# Altium PCB PCB_MPPT_rev1.PcbDoc (part 3 of 3)
Units mm, origin at the board's own origin, x right, y up, seen from the top; angles counter-clockwise.
Board outline 100 x 200 mm, 4 copper layers (Top Layer, INT1, INT2, Bottom Layer), stack 1.49 mm thick; 287 components, 160 nets, 844 pads, 592 vias.
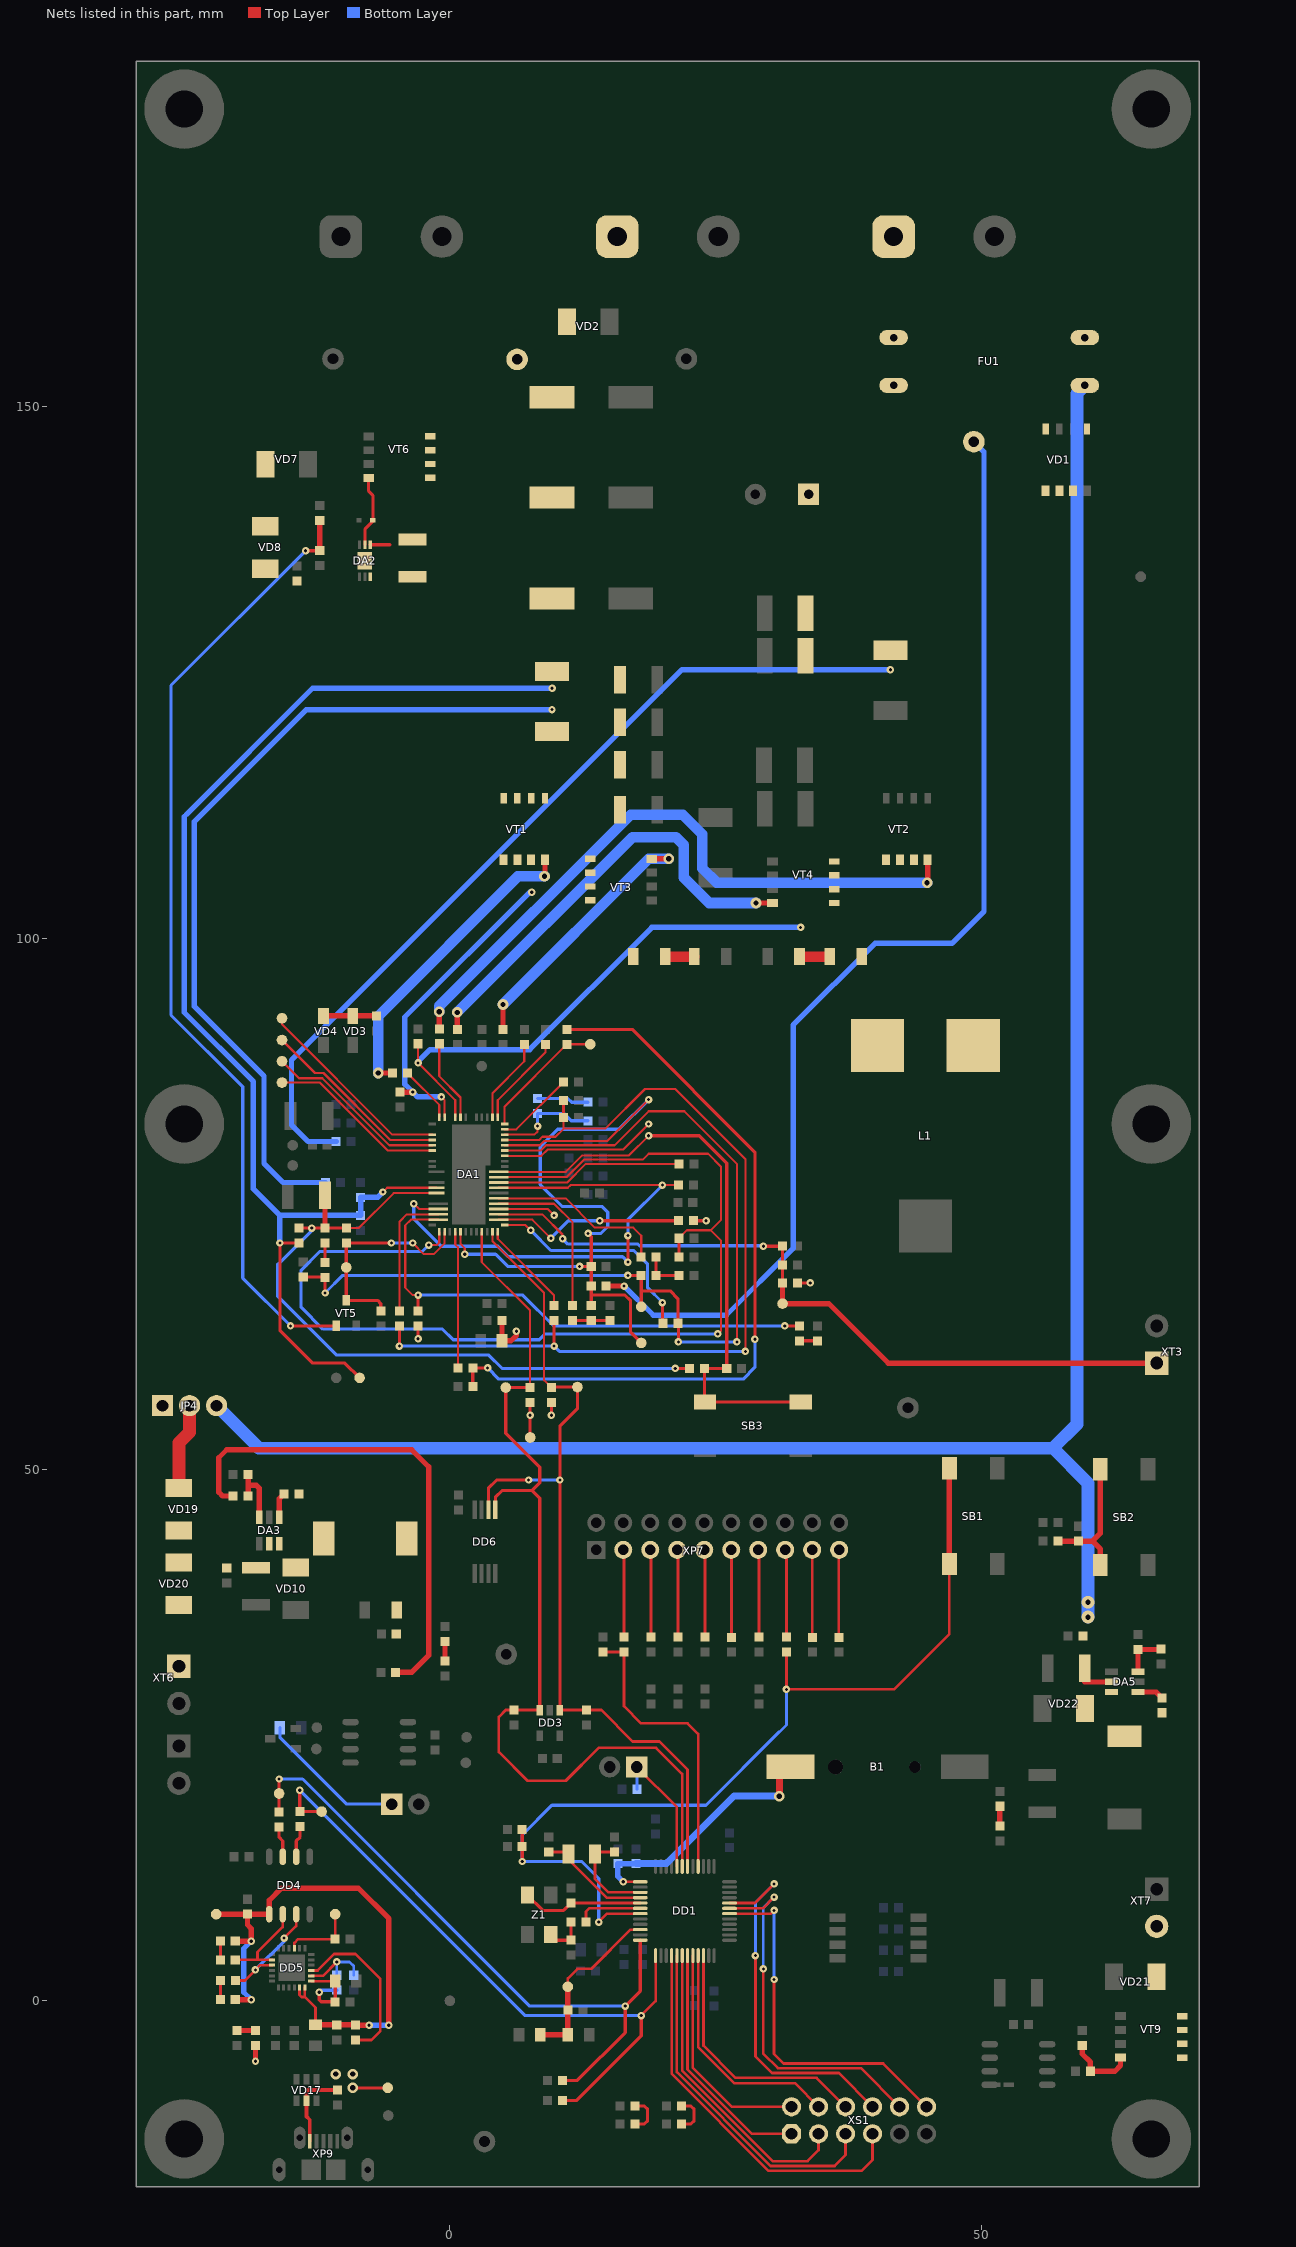
[diagram p5: the nets of this part, all layers, seen from the top]

## Via types
v1: diameter 0.7, hole 0.3, Top Layer to Bottom Layer, 562 vias
v2: diameter 1, hole 0.5, Top Layer to Bottom Layer, 28 vias
v3: diameter 1.2, hole 0.5, Top Layer to Bottom Layer, 2 vias

## Nets (pads, with @x,y where several pads share a name; then routed paths per layer and width w, separated by ;. In a path a pad name is that pad's centre, name@x,y a point inside that pad or via, vN(x,y) a via of type N, cw(c..) or ccw(c..) an arc to the next point about the centre after c; other vN are vias at no path point) (continued)
Net5_1: 5.1 DA1.16 DA1.57 R18.1 R23.1 R27.2 | length 71.7
  Top Layer w0.2: DA1.57@1,72.35 1,71.216 1.15,71.066 1.15,71.05 1.4,70.8 v1(1.4,70.25) ; DA1.16@5.15,80.5 8.469,80.5 8.869,80.9 14.8,80.9 v1(18.7,84.8)
  Top Layer w0.3: v1(12.2,69.1) R27.2@13.3,69.1 ; v1(13,72.2) 13.3,71.9 R27.2@13.3,69.1 ; R23.1@13.3,65.4 13.3,66.4 ; 5.1@18,61.9 17,62.9 17,65.875 16.475,66.4 13.3,66.4 ; 13.3,66.4 R27.2@13.3,69.1
  Bottom Layer w0.3: v1(1.4,70.25) 4.3,70.25 5.45,69.1 v1(12.2,69.1) ; v1(13,72.2) 14.2,72.2 14.859,72.859 14.859,74.191 14.3,74.75 10.55,74.75 8.5,76.8 8.5,80.35 10.15,82 15.9,82 v1(18.7,84.8)
Net7_1: 7.1 DA1.15 R20.2 R21.1 R24.1 R29.1 | length 92.3
  Top Layer w0.2: DA1.15@5.15,80 8.534,80 9.034,80.5 15.5,80.5 18.7,83.7 22.05,83.7 27,78.75 v1(27,62)
  Top Layer w0.3: R29.1@-13.8,68.1 R20.2@-11.8,68.1 ; v1(-11.75,66.6) R20.2@-11.75,68.05 ; v1(16.75,68.25) R24.1@18,68.25 18,66.8 ; 7.1@18,65.3 18,66.8 ; R21.1@21.45,63.75 21.45,66.075 20.725,66.8 18,66.8 ; v1(21.5,62) R21.1@21.5,63.7
  Bottom Layer w0.3: v1(-11.75,66.6) -10.1,68.25 v1(16.75,68.25) ; v1(21.5,62) v1(27,62)
Net9_1: 9.1 DA1.35 | length 19
  Top Layer w0.2: 9.1@-15.8,92.45 -15.8,91.881 -5.419,81.5 DA1.35@-1.65,81.5
Net10_1: 10.1 DA1.36 | length 18
  Top Layer w0.2: 10.1@-15.8,90.4 -12.7,87.3 -11.9,87.3 -5.6,81 DA1.36@-1.65,81
Net12_1: 12.1 DA1.37 | length 17.4
  Top Layer w0.2: 12.1@-15.8,88.4 -14.2,86.8 -12,86.8 -5.7,80.5 DA1.37@-1.65,80.5
Net13_1: 13.1 DA1.38 | length 16.8
  Top Layer w0.2: 13.1@-15.8,86.4 -12.25,86.4 -5.85,80 DA1.38@-1.65,80
Net15_1: 15.1 DA1.20 R42.2 | length 12.1
  Top Layer w0.2: DA1.20@5.15,82.5 5.15,84.15 R42.2@11,90 15.1@13.2,90
Net17_1: 17.1 C38.2 DA1.3 R46.1 R49.2 XT3.1 | length 71.1
  Top Layer w0.2: DA1.3@4.6,74 8.7,74 10.6,72.1 v1(10.6,71.7)
  Top Layer w0.3: v1(29.5,71) C38.2@31.3,71 R49.2@31.3,69.25 R46.1@31.3,67.55
  Top Layer w0.5: R46.1@31.3,67.55 17.1@31.3,65.6 35.65,65.6 41.25,60 XT3.1@66.5,60
  Bottom Layer w0.3: v1(10.6,71.7) 11.1,71.2 17.7,71.2 17.85,71.05 29.45,71.05 v1(29.5,71)
Net49_1: 49.1 DD5.15 R109.2 | length 6.8
  Top Layer w0.25: DD5.15@-14.647,4.95 -14.647,5.453 -14.3,5.8 R109.2@-10.8,5.8 49.1@-10.8,8.15
NetB1_+: B1.+ C53.2 DD1.1 R112.2 | length 24.5
  Top Layer w0.25: v1@16.3,11.2 v1(16.305,11.195) DD1.1@17.909,11.195
  Top Layer w0.65: v2(31,19.25) 31,20.95 B1.+@32.05,22
  Bottom Layer w0.5: v1(16.305,11.195) 15.8,11.7 C53.2@15.8,12.9 R112.2@17.5,12.9
  Bottom Layer w0.65: R112.2@17.5,12.9 20.4,12.9 26.75,19.25 v2(31,19.25)
NetC6_2: C6.2 C7.2 R1.1 R5.1 VT1.5 VT1.6 VT1.7 VT1.8 | length 79.4
  Bottom Layer w0.5: R5.1@-11.7,77 -15.7,77 -17.5,78.8 -17.5,87 -24.05,93.55 -24.05,110.95 -13.507,121.493 v1(9.607,121.493)
NetC11_2: C11.2 C12.2 C13.1 R2.1 R4.1 VD1.1 VD1.2 VD1.3 | length 82.5
  Bottom Layer w0.5: R4.1@-10.7,80.85 -13.35,80.85 -14.9,82.4 -14.9,88.514 21.836,125.25 v1(41.45,125.25)
NetC18_2: C18.2 R6.1 | length 2.7
  Top Layer w1: R6.1@20.25,98.25 C18.2@23,98.25
NetC19_2: C19.2 R7.1 | length 2.9
  Top Layer w1: C19.2@32.898,98.25 R7.1@35.748,98.25
NetC26_2: C26.2 R22.1 R23.2 | length 3.5
  Top Layer w0.3: R22.1@11.55,64 R23.2@13.3,64 C26.2@15.05,64
NetC27_2: C27.2 R24.2 R25.1 | length 3.9
  Top Layer w0.3: R25.1@19.4,70 R24.2@19.4,68.25 C27.2@21.55,68.25
NetC33_2: C33.2 DA1.10 DA1.53 R34.2 | length 103.3
  Top Layer w0.2: v1(-2,71.1) -1.25,71.1 -1,71.35 DA1.53@-1,72.35 ; DA1.10@4.6,77.5 10.969,77.5 12.619,79.15 18.15,79.15 18.7,79.7 24.3,79.7 25.5,78.5 25.5,73.45 24.55,72.5 ; R34.2@21.55,71.75 22.3,72.5 24.55,72.5 ; v1(25.2,62.75) 25.5,63.05 25.5,71.55 24.55,72.5
  Top Layer w0.3: C33.2@21.55,70 R34.2@21.55,71.75
  Bottom Layer w0.3: v1(-2,71.1) -2.6,70.5 -12.25,70.5 -14,68.75 -14,65.25 -11.95,63.2 -0.7,63.2 0.3,62.2 8.4,62.2 8.95,62.75 v1(25.2,62.75)
NetC34_2: C34.2 DA1.19 | length 7.4
  Top Layer w0.2: DA1.19@5.15,82 6.25,82 C34.2@10.7,86.45
NetC35_2: C35.2 DA1.17 R36.1 R37.2 R44.2 | length 85.2
  Top Layer w0.2: DA1.17@5.15,81 8.403,81 8.703,81.3 9.937,81.3 10.7,82.063 ; R44.2@10.7,83.1 10.7,82.063 ; v1(27.8,61.1) 27.8,79.2 21.2,85.8 18.359,85.8 14.621,82.063 10.7,82.063
  Top Layer w0.3: v1(-4.75,61.6) R37.2@-4.75,63.5 ; v1(9.8,61.6) R36.1@9.8,64 ; R44.2@10.7,83.1 C35.2@10.7,84.7
  Bottom Layer w0.3: v1(-4.75,61.6) v1(9.8,61.6) 10.3,61.1 v1(27.8,61.1)
NetC36_2: C36.2 R42.1 R43.1 | length 71.9
  Top Layer w0.3: C36.2@2.15,57.8 R43.1@2.15,59.55 v1(3.55,59.55) ; R42.1@11,91.4 17.159,91.4 28.7,79.859 v1(28.7,62.25)
  Bottom Layer w0.3: v1(3.55,59.55) 4.6,58.5 27.6,58.5 28.7,59.6 v1(28.7,62.25)
NetC37_2: C37.2 DA1.18 R47.2 | length 10
  Top Layer w0.2: DA1.18@5.15,81.5 7.95,81.5 8.25,81.8 v1(8.25,82.3)
  Bottom Layer w0.3: v1(8.25,82.3) R47.2@8.25,83.5 10.7,83.5 11.4,82.8 C37.2@13,82.8
NetC39_2: C39.2 R47.1 | length 4.9
  Bottom Layer w0.3: R47.1@8.25,84.9 11.1,84.9 11.45,84.55 C39.2@13,84.55
NetC40_1: C40.1 DA2.6 DA2.7 R53.1 VD8.2
NetC41_1: C41.1 DA3.6 L2.2 VD10.2
NetC41_2: C41.2 DA3.1 | length 2.4
  Top Layer w0.5: DA3.1@-16.05,45.5 -16.05,47.25 C41.2@-15.6,47.7
NetC42_2: C42.2 C43.2 DA3.5 VD19.2 VD20.2
NetC44_2: C44.2 C45.2 L2.1 R54.2 R56.2 | length 47
  Top Layer w0.5: R56.2@-20.4,47.5 -21.397,47.5 -21.75,47.853 -21.75,51.097 -20.997,51.85 -3.6,51.85 -2,50.25 -2,32.5 -3.6,30.9 R54.2@-5.1,30.9
NetC61_2: C61.2 DD1.5 Z1.1 | length 11.5
  Top Layer w0.25: C61.2@11.4,9.2 11.405,9.195 DD1.5@17.909,9.195
  Top Layer w0.3: Z1.1@7.3,9.95 8.75,8.5 10.7,8.5 C61.2@11.4,9.2
NetC62_2: C62.2 R89.2 Z1.3 | length 3.8
  Top Layer w0.3: Z1.3@9.5,6.25 10.05,5.7 C62.2@11.4,5.7 R89.2@11.4,7.4
NetC74_1: C74.1 DD1.3 Z2.2 | length 8.8
  Top Layer w0.25: Z2.2@13.65,13.8 13.65,11.45 14.905,10.195 DD1.3@17.909,10.195
  Top Layer w0.3: Z2.2@13.85,14 C74.1@15.5,14
NetC75_1: C75.1 DD1.4 Z2.1 | length 10.7
  Top Layer w0.25: Z2.1@11.4,13.8 Z2.1@11.15,13.8 11.15,13.3 14.755,9.695 DD1.4@17.909,9.695
  Top Layer w0.3: C75.1@9.3,14 Z2.1@10.95,14
NetC80_1: C80.1 DA5.6 L4.2 VD22.2
NetC80_2: C80.2 DA5.1 | length 2.5
  Top Layer w0.5: DA5.1@64.75,29.05 66.45,29.05 C80.2@67,28.5
NetDA1_1: DA1.1 R21.2 | length 21.1
  Top Layer w0.2: DA1.1@5.15,73 7.1,73 v1(7.6,72.5)
  Top Layer w0.3: v1(20,65.7) 20,63.8 R21.2@20.05,63.75
  Bottom Layer w0.3: v1(7.6,72.5) 9.5,70.6 17.3,70.6 18.6,69.3 18.6,67.1 v1(20,65.7)
NetDA1_2: DA1.2 R30.1 | length 18.3
  Top Layer w0.2: DA1.2@4.6,73.5 7.75,73.5 v1(9.5,71.75)
  Top Layer w0.3: v1(14.1,73.4) R30.1@21.5,73.4
  Bottom Layer w0.3: v1(9.5,71.75) 11.15,73.4 v1(14.1,73.4)
NetDA1_5: DA1.5 R22.2 | length 15.5
  Top Layer w0.2: DA1.5@4.6,75 9.8,75 11.55,73.25 R22.2@11.55,65.4
NetDA1_6: DA1.6 R25.2 | length 16.8
  Top Layer w0.2: DA1.6@4.6,75.5 10.893,75.5 13.643,72.75 17.25,72.75 18,72 R25.2@18,70
NetDA1_8: DA1.8 DA1.49 R26.1 | length 51.4
  Top Layer w0.2: v1(-3.4,75) -2.9,74.5 DA1.49@-1.1,74.5 ; DA1.8@4.6,76.5 11.1,76.5 11.35,76.75 v1(20,76.75) R26.1@21.5,76.75
  Top Layer w0.3: v1(16.75,69.5) v1(16.75,72)
  Bottom Layer w0.3: v1(-3.4,75) -3.4,73.6 -0.8,71 4.5,71 5.5,70 16.25,70 v1(16.75,69.5) ; v1(16.75,72) 16.75,73.5 v1(20,76.75)
NetDA1_9: DA1.9 R40.2 | length 17.7
  Top Layer w0.2: DA1.9@4.6,77 11.034,77 12.784,78.75 R40.2@21.559,78.75
NetDA1_11: DA1.11 R48.1 R51.2 SB3.2 | length 57.4
  Top Layer w0.2: DA1.11@4.6,78 10.903,78 12.453,79.55 16.85,79.55 v1(18.7,81.4)
  Top Layer w0.3: v1(18.7,81.4) 23.461,81.4 26.05,78.811 R51.2@26.05,59.5 R48.1@23.95,59.5 SB3.2@23.95,56.4 ; SB3.2@24,56.35 SB3.2@33,56.35
NetDA1_21: DA1.21 R39.2 | length 8.7
  Top Layer w0.2: DA1.21@4.5,83.15 4.5,84.75 9,89.25 R39.2@9,90
NetDA1_22: DA1.22 R41.2 | length 8.1
  Top Layer w0.2: DA1.22@4,83.15 4,85.4 7,88.4 R41.2@7,90
NetDA1_50: DA1.50 R37.1 | length 12.3
  Top Layer w0.2: R37.1@-4.75,64.9 -4.75,73.313 -4.063,74 DA1.50@-1.1,74
NetDA1_51: DA1.51 R31.1 VD5.1 | length 49.2
  Top Layer w0.2: v1(-3,66.4) -3.5,66.4 -4.2,67.1 -4.2,72.963 -3.663,73.5 DA1.51@-1.1,73.5
  Top Layer w0.3: R31.1@-3,64.9 v1(-3,66.4) ; v1(31.5,63.5) VD5.1@32.85,63.5
  Bottom Layer w0.3: v1(-3,66.4) 6.85,66.4 9.75,63.5 v1(31.5,63.5)
NetDA1_56: DA1.56 R43.2 | length 12.9
  Top Layer w0.2: DA1.56@0.5,72.35 0.5,71.15 0.75,70.9 R43.2@0.75,59.55
NetDA1_64: DA1.64 R36.2 | length 9.1
  Top Layer w0.2: DA1.64@4.5,72.35 4.5,71.7 9.8,66.4 R36.2@9.8,65.4
NetDA2_2: DA2.2 VD6.2 VT6.4 | length 6.8
  Top Layer w0.3: DA2.2@-8,136.995 -8,138.45 -7.2,139.25 VD6.2@-7.2,139.3 ; VT6.4@-7.65,143.3 -7.65,142.05 -7.25,141.65 VD6.2@-7.25,139.3
NetDA3_3: DA3.3 R56.1 R59.2 | length 5.7
  Top Layer w0.5: R56.1@-18.97,47.75 -18.97,48.5 ; R59.2@-18.97,49.55 -18.97,48.5 ; DA3.3@-17.95,45.5 -17.95,48.25 -18.2,48.5 -18.97,48.5
NetDA5_3: DA5.3 R122.1 R123.1 | length 4.3
  Top Layer w0.5: DA5.3@64.75,30.95 R122.1@64.75,33.05 66.85,33.05 R123.1@66.9,33.1
NetDD1_6: DD1.6 R89.1 | length 6.2
  Top Layer w0.25: R89.1@12.8,7.4 12.8,8.4 13.095,8.695 DD1.6@17.909,8.695
NetDD1_44: DD1.44 JP3.1 R92.2 | length 13
  Top Layer w0.25: JP3.1@17.57,22 17.573,22 21.359,18.214 DD1.44@21.359,12.645
  Bottom Layer w0.25: JP3.1@17.57,22 17.6,21.97 R92.2@17.6,19.9
NetDD4_2: DD4.2 DD5.20 VD16.2 | length 8.7
  Top Layer w0.25: VD16.2@-20.2,3.85 -18.1,3.85 ; DD5.20@-16.747,3.85 -18.1,3.85 ; DD4.2@-15.732,8.15 -15.732,6.943 -18.1,4.575 -18.1,3.85
NetDD4_3: DD4.3 DD5.21 VD15.2 | length 10.9
  Top Layer w0.25: VD15.2@-20.197,1.9 -19.3,1.9 v1(-18.3,2.9) -17.85,3.35 DD5.21@-16.747,3.35 ; v1(-15.6,5.9) -14.462,7.038 DD4.3@-14.462,8.15
  Bottom Layer w0.3: v1(-18.3,2.9) -15.6,5.6 v1(-15.6,5.9)
NetDD4_6: DD4.6 R104.2 | length 3
  Top Layer w0.3: DD4.6@-14.462,13.55 -14.462,15.038 -14.1,15.4 R104.2@-14.1,16.4
NetDD4_7: DD4.7 R103.2 | length 2.9
  Top Layer w0.3: R103.2@-16.075,16.35 -16.075,15.375 -15.732,15.032 DD4.7@-15.732,13.55
NetDD5_8: DD5.8 R110.1 R111.1 | length 6.8
  Top Layer w0.25: DD5.8@-13.047,2.35 -11.95,2.35 v1(-10.65,3.65)
  Bottom Layer w0.25: R111.1@-10.65,2.4 v1(-10.65,3.65) -9.45,3.65 -9.05,3.25 R110.1@-9.05,2.4
NetDD5_9: DD5.9 R108.2 | length 15.7
  Top Layer w0.25: DD5.9@-13.047,2.85 -12.45,2.85 -10.9,4.4 -8.9,4.4 -6.55,2.05 -6.55,-2.85 -7.4,-3.7 R108.2@-8.9,-3.7
NetJP2_1: JP2.1 R98.1 | length 14
  Bottom Layer w0.3: R98.1@-16,25.7 -16,24.8 -9.7,18.5 JP2.1@-5.47,18.5
NetR8_2: R8.2 VT1.4 | length 29.9
  Top Layer w0.5: v2@-6.7,87.05 -6.75,87.1 v2(-6.75,87.3) R8.2@-5.4,87.3 ; v2(8.9,105.8) 8.95,105.85 VT1.4@8.95,107.35
  Bottom Layer w0.5: v2@-6.75,87.059 v2(-6.75,87.3)
  Bottom Layer w1: v2(-6.75,87.3) -6.75,92.65 6.4,105.8 v2(8.9,105.8)
NetR9_2: R9.2 VT3.4 | length 25.2
  Top Layer w0.5: R9.2@5,91.4 v2(5,93.75) ; VT3.4@19,107.45 v2(20.6,107.45)
  Bottom Layer w1: v2(5,93.75) 18.7,107.45 v2(20.6,107.45)
NetR10_2: R10.2 VT4.4 | length 42.4
  Top Layer w0.5: R10.2@0.7,91.4 v2(0.7,93) ; v2(28.8,103.3) VT4.4@30.35,103.3
  Bottom Layer w1: v2(0.7,93) 17.2,109.5 21.25,109.5 22,108.75 22,105.7 24.4,103.3 v2(28.8,103.3)
NetR11_2: R11.2 VT2.4 | length 62.2
  Top Layer w0.5: R11.2@-1,91.45 v2(-1,93.05) ; v2(44.9,105.2) 44.95,105.25 VT2.4@44.95,107.35
  Bottom Layer w1: v2(-1,93.05) -1,93.6 17,111.6 21.9,111.6 23.75,109.75 23.75,106.575 25.125,105.2 v2(44.9,105.2)
NetR13_1: R13.1 VD3.1 VD4.1 | length 5
  Top Layer w0.5: VD4.1@-11.9,92.675 VD3.1@-9.15,92.675 -6.925,92.675 R13.1@-6.9,92.65
NetR17_2: R17.2 R20.1 | length 1.8
  Top Layer w0.3: R20.1@-11.75,69.45 R17.2@-11.75,71.3
NetR33_2: R33.2 VD5.2 | length 1.7
  Top Layer w0.3: VD5.2@32.9,62.1 R33.2@34.6,62.1
NetR50_1: R50.1 R52.2 VT5.1 | length 91.3
  Top Layer w0.3: v1(-15,63.5) VT5.1@-10.7,63.5 ; v1(-13.575,136.45) R52.2@-12.25,136.45
  Top Layer w0.5: R52.2@-12.25,136.45 R50.1@-12.25,139.3
  Bottom Layer w0.3: v1(-15,63.5) -19.5,68 -19.5,86 -26.25,92.75 -26.25,123.775 v1(-13.575,136.45)
NetR57_2: R57.2 VD9.2 | length 1.8
  Top Layer w0.5: VD9.2@-0.47,31.95 R57.2@-0.47,33.8
NetR65_2: R65.2 XP7.3 | length 8.1
  Top Layer w0.3: R65.2@16.378,34.228 XP7.3@16.378,42.362
NetR68_2: R68.2 XP7.5 | length 8.1
  Top Layer w0.3: R68.2@18.918,34.228 XP7.5@18.918,42.362
NetR69_2: R69.2 XP7.7 | length 8.1
  Top Layer w0.3: R69.2@21.458,34.228 XP7.7@21.458,42.362
NetR70_2: R70.2 XP7.9 | length 8.1
  Top Layer w0.3: R70.2@23.998,34.228 XP7.9@23.998,42.362
NetR71_2: R71.2 XP7.13 | length 8.1
  Top Layer w0.3: R71.2@29.078,34.228 XP7.13@29.078,42.362
NetR73_2: R73.2 XP7.15 | length 8.1
  Top Layer w0.3: R73.2@31.666,34.228 XP7.15@31.666,42.314
NetR94_1: R94.1 R97.2 SB2.1 | length 12.9
  Top Layer w0.5: R94.1@57.2,43.25 R97.2@59.15,43.25 60.45,43.25 ; SB2.1@61.2,41 61.2,42.5 60.45,43.25 ; SB2.1@61.2,50 61.2,44 60.45,43.25
NetR95_2: R95.2 VD12.2 | length 3.7
  Top Layer w0.3: R95.2@17.425,-11.6 18.3,-11.6 18.6,-11.3 18.6,-10.2 18.3,-9.9 VD12.2@17.425,-9.9
NetR96_2: R96.2 VD13.2 | length 3.7
  Top Layer w0.3: R96.2@21.8,-11.6 22.675,-11.6 22.975,-11.3 22.975,-10.2 22.675,-9.9 VD13.2@21.8,-9.9
NetR101_2: R101.2 VD15.1 | length 1.8
  Top Layer w0.3: R101.2@-21.597,0.103 VD15.1@-21.597,1.9
NetR102_2: R102.2 VD16.1 | length 1.7
  Top Layer w0.3: VD16.1@-21.6,3.85 R102.2@-21.6,5.6
NetR105_2: R105.2 VD18.1 | length 1.7
  Top Layer w0.5: VD18.1@-20.047,-2.8 R105.2@-18.297,-2.8
NetR115_2: R115.2 XP7.19 | length 8.2
  Top Layer w0.25: R115.2@36.6,34.2 XP7.19@36.6,42.4
NetR116_2: R116.2 XP7.17 | length 8.2
  Top Layer w0.25: R116.2@34.1,34.2 XP7.17@34.1,42.42
NetR117_2: R117.2 XP7.11 | length 8.2
  Top Layer w0.25: R117.2@26.5,34.2 XP7.11@26.5,42.4
NetR124_2: R124.2 VD23.2 | length 1.8
  Top Layer w0.5: VD23.2@51.75,16.45 R124.2@51.75,18.3
NetR125_1: R125.1 R126.1 VT9.4 | length 6.7
  Top Layer w0.5: R126.1@59.6,-4.2 R126.1@59.5,-4.2 59.5,-5 60.265,-5.765 R125.1@60.265,-6.635 62.565,-6.635 63.1,-6.1 VT9.4@63.1,-5.35
NetVD7_1: VD7.1 VD8.1
NetVD20_1: VD20.1 XT6.1
NetVD21_1: VD21.1 VT9.5 VT9.6 VT9.7 VT9.8 XT7.2
NJTRST: DD1.40 R60.1 R65.1 | length 27.6
  Top Layer w0.25: R65.1@16.378,32.828 16.378,27.722 18,26.1 22.377,26.1 23.359,25.118 DD1.40@23.359,12.645
  Top Layer w0.3: R60.1@14.416,32.828 R65.1@16.378,32.828
NRST: C60.2 DD1.7 R73.1 R88.1 SB1.2 | length 90.8
  Top Layer w0.25: v1(14,7.4) 14.795,8.195 DD1.7@17.909,8.195 ; R73.1@31.666,32.828 v1(31.666,29.3) 41.8,29.3 47,34.5 SB1.2@47,41.1
  Top Layer w0.3: v1(6.8,13.1) C60.2@6.8,14.5 R88.1@6.8,16.1
  Top Layer w0.5: SB1.2@47,41.1 SB1.2@47,50.1
  Bottom Layer w0.25: 31,25.3 31.666,25.966 v1(31.666,29.3)
  Bottom Layer w0.3: v1(14,7.4) 14,11.5 12.4,13.1 v1(6.8,13.1) 6.8,15.6 9.6,18.4 24.1,18.4 31,25.3
PA6: DD1.16 XS1.7 | length 36.7
  Top Layer w0.25: DD1.16@20.859,4.245 20.859,-6.859 30,-16 38.75,-16 39.77,-14.98 XS1.7@39.77,-12.52
PA7: DD1.17 XS1.5 | length 32.9
  Top Layer w0.25: DD1.17@21.359,4.245 21.359,-6.723 30.186,-15.55 36.2,-15.55 37.23,-14.52 XS1.5@37.23,-12.52
PA11: DD1.32 XS1.8 | length 34.9
  Top Layer w0.25: DD1.32@26.309,9.195 28.695,9.195 v1(30.5,11) ; v1(28.75,4.25) 28.75,-5.25 30.3,-6.8 36.59,-6.8 XS1.8@39.77,-9.98
  Bottom Layer w0.25: v1(28.75,4.25) 28.75,9.25 v1(30.5,11)
PB0: DD1.18 XS1.3 | length 29.2
  Top Layer w0.25: DD1.18@21.859,4.245 21.859,-6.586 30.373,-15.1 33.65,-15.1 34.69,-14.06 XS1.3@34.69,-12.52
PB1: DD1.19 XS1.1 | length 23
  Top Layer w0.25: DD1.19@22.359,4.245 22.359,-6.45 28.429,-12.52 XS1.1@32.15,-12.52
PB2: DD1.20 XS1.2 | length 21.4
  Top Layer w0.25: DD1.20@22.859,4.245 22.859,-6.313 26.526,-9.98 XS1.2@32.15,-9.98
PB10: DD1.21 XS1.4 | length 22.3
  Top Layer w0.25: DD1.21@23.384,4.22 DD1.21@23.359,4.245 23.359,-4.359 26.75,-7.75 32.46,-7.75 XS1.4@34.69,-9.98
PB11: DD1.22 XS1.6 | length 24.2
  Top Layer w0.25: DD1.22@23.859,4.245 23.859,-4.223 26.886,-7.25 34.5,-7.25 XS1.6@37.23,-9.98
SCL: 14.1 DA1.63 DD1.42 DD3.1 DD6.6 R35.2 R99.2 | length 82.9
  Top Layer w0.2: DA1.63@4,72.35 4,71.469 8.869,66.6 8.869,58.381 R35.2@9.55,57.7
  Top Layer w0.25: R99.2@12.839,27.354 14.246,27.354 17.2,24.4 19.7,24.4 22.359,21.741 DD1.42@22.359,12.645
  Top Layer w0.3: DD6.6@3.625,46.201 3.625,48.225 4.4,49 v1(7.4,49) ; R35.2@9.6,57.75 14.1@12,57.75 12,55.7 10.35,54.05 DD3.1@10.35,27.35 R99.2@12.835,27.35
  Bottom Layer w0.3: v1(7.4,49) v1(10.35,49)
SDA: 16.1 DA1.61 DD1.43 DD3.3 DD6.5 R38.2 R100.2 | length 92.8
  Top Layer w0.2: DA1.61@3,72.35 3,69.5 7.55,64.95 R38.2@7.55,57.7
  Top Layer w0.25: R100.2@6.039,27.354 5.254,27.354 4.6,26.7 4.6,23.4 7.3,20.7 10.9,20.7 14,23.8 19.4,23.8 21.859,21.341 DD1.43@21.859,12.645
  Top Layer w0.3: DD6.5@4.275,46.201 4.275,47.375 4.9,48 7.7,48 ; R100.2@6.039,27.354 DD3.3@8.446,27.354 ; R38.2@7.55,57.7 16.1@5.25,57.7 5.25,53.4 8.45,50.2 8.45,48.75 7.7,48 ; DD3.3@8.45,27.35 8.45,47.3 7.75,48 7.7,48
SW1: C23.1 DA1.31 L1.2 R6.2 VT1.1 VT1.2 VT1.3 VT3.5 VT3.6 VT3.7 VT3.8 | length 30.3
  Top Layer w0.2: v1(-0.8,85.05) -0.5,84.75 DA1.31@-0.5,83.15
  Top Layer w0.5: C23.1@-4.7,85.5 v1(-3.5,85.5)
  Bottom Layer w0.5: v1(-0.8,85.05) -3.05,85.05 v1(-3.5,85.5) -4.25,86.25 -4.25,92.55 7.5,104.3 v1(7.7,104.3)
SW2: C24.2 DA1.29 L1.1 R7.2 VT2.1 VT2.2 VT2.3 VT4.5 VT4.6 VT4.7 VT4.8 | length 49.7
  Top Layer w0.2: C24.2@-3,90.05 v1(-3,88.25) 0.5,84.75 DA1.29@0.5,83.15
  Bottom Layer w0.5: v1(-3,88.25) -3,88.381 -1.881,89.5 7.5,89.5 19,101 v1(33,101)
TEMP: 18.1 C46.2 DD1.10 R55.1 R58.1 | length 16.6
  Top Layer w0.25: 18.1@11.1,1.314 11.1,2.1 12,3 13.3,3 16.995,6.695 DD1.10@17.909,6.695
  Top Layer w0.5: R55.1@8.5,-3.2 R58.1@11.1,-3.2 18.1@11.1,1.314
TG1: DA1.32 R8.1 | length 5.3
  Top Layer w0.2: R8.1@-4,87.05 -3.75,87.05 -1,84.3 DA1.32@-1,83.15
TG2: DA1.28 R11.1 | length 7.7
  Top Layer w0.2: R11.1@-1,90.05 -1,87 1,85 DA1.28@1,83.15
USART1_RX: DD1.31 XS1.10 | length 34.7
  Top Layer w0.25: DD1.31@26.309,8.695 29.445,8.695 v1(30.5,9.75) ; v1(29.5,3) 29.5,-5 30.85,-6.35 38.68,-6.35 XS1.10@42.31,-9.98
  Bottom Layer w0.25: v1(29.5,3) 29.5,8.75 v1(30.5,9.75)
USART1_TX: DD1.30 XS1.12 | length 34.2
  Top Layer w0.25: DD1.30@26.309,8.195 30.195,8.195 v1(30.5,8.5) ; v1(30.5,2) 30.5,-5 31.4,-5.9 40.77,-5.9 XS1.12@44.85,-9.98
  Bottom Layer w0.25: v1(30.5,2) v1(30.5,8.5)
USART2-RX: 47.1 DD1.13 R104.1 R114.1 | length 62.9
  Top Layer w0.25: v1(18,-1.4) 19.359,-0.041 DD1.13@19.359,4.245
  Top Layer w0.3: R104.1@-14.122,17.822 v1(-14.122,19.8) ; R104.1@-14.1,17.8 47.1@-12.075,17.8 ; R114.1@10.6,-9.4 11.9,-9.4 18,-3.3 v1(18,-1.4)
  Bottom Layer w0.3: v1(-14.122,19.8) 7.078,-1.4 v1(18,-1.4)
USART2-TX: 45.1 DD1.12 R103.1 R113.1 | length 61.6
  Top Layer w0.3: R103.1@-16.075,17.75 45.1@-16.075,19.5 v1(-16.075,20.863) ; R113.1@10.6,-7.5 12,-7.5 16.5,-3 v1(16.5,-0.5) 17.909,0.909 DD1.12@17.909,5.695
  Bottom Layer w0.3: v1(-16.075,20.863) -13.863,20.863 7.5,-0.5 v1(16.5,-0.5)
VBAT: C78.2 C79.2 DA5.5 FU1.1 JP4.3 R18.2 VD1.5 VD1.8 XP2.1 | length 312
  Top Layer w0.5: R18.2@14.7,67.259 v1@16.384,67.259 ; C78.2@59.75,31.3 59.75,30 DA5.5@62.25,30
  Bottom Layer w0.5: v1(16.393,67.25) 19.143,64.5 26,64.5 32.3,70.8 32.3,91.8 40,99.5 47.25,99.5 50.25,102.5 50.25,145.75 XP2.1@49.3,146.7
  Bottom Layer w1.2: JP4.3@-21.96,56 -17.96,52 56.75,52 ; FU1.1@59.75,152 59,151.25 59,54.25 56.75,52 ; v3(60.05,36.1) v3(60.05,37.5) 60.05,48.7 56.75,52
VBATF: FU1.2 XT2.1
VCC5V-USB: 44.1 C66.1 C67.2 C70.1 DD5.7 R105.1 R111.2 VD17.5 XP9.1 | length 20.7
  Top Layer w0.25: DD5.7@-13.047,1.85 C67.2@-11,1.85
  Top Layer w0.3: v2(-9.15,-8.2) 44.1@-5.85,-8.2
  Top Layer w0.35: VD17.5@-13.5,-9.425 -13.5,-10.9 -13.2,-11.2 XP9.1@-13.2,-13.227 ; v1(-12.3,0.8) -12.3,0.1 -12.1,-0.1 C66.1@-10.8,-0.1 C67.2@-10.8,1.85
  Top Layer w0.4: VD17.5@-13.5,-9.425 -13.5,-8.403 -13.497,-8.4 C70.1@-10.6,-8.4
  Top Layer w0.5: v1(-18.297,-5.7) R105.1@-18.297,-4.2
  Bottom Layer w0.35: v1(-12.3,0.8) -12.1,1 R111.2@-10.65,1
  other v2: -10.75,-6.9 -9.15,-6.9
VDD: 11.1 C31.2 DA1.4 DA1.14 R30.2 R31.2 R32.1 R35.1 R38.1 R46.2 | length 32.2
  Top Layer w0.2: DA1.4@4.6,74.5 9.2,74.5 v1(9.8,73.9) ; DA1.14@5.15,79.5 8.6,79.5 9.2,80.1 16.3,80.1 v1(18.7,82.5)
  Top Layer w0.3: v1(-3,62.3) R31.2@-3,63.5 ; 11.1@7.55,53 v1(7.55,55.1) R38.1@7.55,56.3 ; v1(9.55,55.1) R35.1@9.55,56.3 ; R30.2@22.9,73.4 v1(24.1,73.4) ; R46.2@32.7,67.55 v1(33.9,67.55)
  Top Layer w0.5: R32.1@4.9,64 C31.2@4.9,62.1 5.755,62.1 6.259,62.605 v1(6.259,63)
VDD1: 48.1 C69.1 C71.1 C72.2 DD4.1 DD5.5 DD5.6 R101.1 R102.1 R108.1 | length 53.1
  Top Layer w0.25: DD5.5@-14.147,1.25 -14.147,0.547 -13.947,0.347 -13.647,0.347 ; DD5.6@-13.647,1.25 -13.647,0.347 ; C72.2@-12.647,-2.25 -12.647,-0.653 -13.647,0.347
  Top Layer w0.5: 48.1@-22,8.15 C69.1@-19.047,8.15 ; R101.1@-20.2,0.1 v1(-18.7,0.1) ; R102.1@-20.2,5.6 v1(-18.7,5.6) -18.7,6.8 -19.047,7.147 C69.1@-19.047,8.15 ; C72.2@-12.647,-2.25 -8.95,-2.25 R108.1@-8.9,-2.3 v1(-7.6,-2.3) ; v1(-5.75,-2.3) -5.75,7.72 -8.63,10.6 -15.847,10.6 -17.002,9.445 DD4.1@-17.002,8.15 C69.1@-19.047,8.15
  Bottom Layer w0.5: v1(-18.7,0.1) -19.4,0.8 -19.4,4.9 v1(-18.7,5.6) ; v1(-7.6,-2.3) v1(-5.75,-2.3)
VIN: C25.2 DA1.46 R16.2 R17.1 R19.1 R48.2 | length 66.7
  Top Layer w0.2: R19.1@-9.75,72.7 -8.6,72.7 -5.3,76 DA1.46@-1.25,76
  Top Layer w0.3: R16.2@-14.2,72.7 v1(-13,72.7) R17.1@-11.75,72.7 R19.1@-9.75,72.7 ; v1(21.2,59.5) R48.2@22.55,59.5
  Top Layer w0.5: R17.1@-11.75,72.7 C25.2@-11.75,75.8
  Bottom Layer w0.3: v1(-13,72.7) -13,72.45 -16.15,69.3 -16.2,69.3 -16.2,66.3 -10.65,60.75 3.65,60.75 4.9,59.5 v1(21.2,59.5)
VIN1: 1.1 C1.1 C2.1 C3.1 C4.2 C5.2 C16.1 C17.2 C40.2 DA1.45 DA2.1 JP4.1 R1.2 R16.1 VD2.2 VT6.5 VT6.6 VT6.7 VT6.8 XP1.1 XT1.1 | length 121.5
  Top Layer w0.2: v1(-6.3,76.1) -5.9,76.5 DA1.45@-1.25,76.5
  Top Layer w0.3: R16.1@-14.2,71.3 v1(-16,71.3) -16,63.1 -12.9,60 -9.891,60 1.1@-8.5,58.609 ; DA2.1@-7.5,137 -5.625,137
  Bottom Layer w0.5: v1(-16,71.3) -16,73.9 ; v1(-6.3,76.1) -6.8,75.6 C16.1@-8.4,75.6 C17.2@-8.4,73.9 -16,73.9 ; v1(9.609,123.5) -12.914,123.5 -24.707,111.707 -25,111.414 -25,93 -18.5,86.5 -18.5,76.4 -16,73.9
VIN_MCU: JP4.2 VD19.1 | length 8.2
  Top Layer w1.2: VD19.1@-25.5,48.25 -25.5,52.5 -24.5,53.5 JP4.2@-24.5,56
VINR: 6.1 DA1.54 R19.2 R28.1 VT5.3 | length 20.7
  Top Layer w0.2: v1(-3.5,71.3) -2.45,70.25 -1.534,70.25 -0.5,71.284 DA1.54@-0.5,72.35
  Top Layer w0.3: R28.1@-6.5,64.9 -6.5,65.6 -6.8,65.9 VT5.3@-9.75,65.9 6.1@-9.75,69 R19.2@-9.75,71.3 v1(-5.5,71.3)
  Bottom Layer w0.3: v1(-5.5,71.3) v1(-3.5,71.3)
pads on no net: B1.0 DA1.48 DA2.5 DA3.4 DA5.4 DA6.3 DA6.28 DD1. DD1.2 DD1.11 DD1.41 DD2.5 DD2.28 DD3. DD4.28 DD5. DD5.1 DD5.10 DD5.11 DD5.12 DD5.13 DD5.14 DD5.16 DD5.17 DD5.18 DD5.19 DD5.22 DD5.23 DD5.24 DD6.1 L1.3 SB4. VD1. VD1.4 VD1.6 VD1.7 VD2. VD3. VD4. VD7. VD8. VD10. VD17. VD19. VD20. VD21. VD22. VT1. VT2. VT3. VT4. VT6. VT9. X29.1 X30.1 X31.1 X32.1 XP7.41 XP9.4 XT3. XT5. XT6. XT7.

## Polygon pours and split planes (outlines as drawn)
NetC42_2 on Top Layer "NETC42_2_L01_P103" (solid, remove dead copper, pour order 103): -16.7,42.5 -17.3,42.5 -17.3,42 -23,42 -23,45.25 -28.5,45.25 -28.5,42 -28.5,40.2 -16.75,40.2
AGND on Top Layer "AGND_L01_P096" (solid, remove dead copper, pour order 96): -16.75,95.75 11,95.75 23,83.75 69.5,83.75 69.5,52 50.75,52 50.75,-16.5 -28.5,-16.5 -28.5,52.5 -16.75,52.5
NetC80_1 on Top Layer "NETC80_1_L01_P113" (solid, remove dead copper, pour order 113): 63.25,29.4 58.9,29.4 58.9,23.25 67.75,23.25 67.75,27.597 63.25,27.597
NetC41_1 on Top Layer "NETC41_1_L01_P077" (solid, remove dead copper, pour order 77): -16.3,43.75 -16.3,39.9 -10.25,39.9 -10.25,48.5 -14.597,48.5 -14.597,43.75
VIN1 on Top Layer "VIN1_L01_P099" (solid, remove dead copper, pour order 99): 11.75,123 11.75,162.5 19.25,162.5 19.25,171 5.75,171 5.75,160 -6,160 -6,136.8 -0.5,136.8 -0.5,130 -23,130 -28.5,130 -28.5,123 -28.5,87.45 -28.5,74.5 -28.5,54.75 -26,54.75 -26,58 -17.7,58 -17.7,95.75 -25.5,95.75 -25.5,123
VIN1 on Top Layer "VIN1_L01_P075" (solid, remove dead copper, pour order 75): 16.6,127.75 16.6,118.825 13,118.825 13,123 7.607,123 7.607,127.75
A on Top Layer "A_L01_P024" (solid, remove dead copper, pour order 24): 31,108 18.5,108 18.5,100 24.607,100 24.607,97.25 31,97.25
SW2 on Top Layer "SW2_L01_P014" (solid, remove dead copper, pour order 14): 32,100 32,107.85 69.5,107.85 69.5,84.8 45.25,84.8 45.25,97.5 37.25,97.5 37.25,100
SW1 on Top Layer "SW1_L01_P010" (solid, remove dead copper, pour order 10): 44,96.25 18,96.25 18,108 4.5,108 4.5,96.75 11.043,96.75 cw(c-96.812,-23.106) 23.043,84.75 44,84.75
Net3_1 on Top Layer "NET3_1_L01_P107" (solid, remove dead copper, pour order 107): 32.579,109 32.579,123.75 45.329,123.75 45.329,136 69.5,136 69.5,109
VBAT on Top Layer "VBAT_L01_P032" (solid, remove dead copper, pour order 32): 46.75,143.75 46.75,160 69.5,160 69.5,143.75
NetC11_2 on Top Layer "NETC11_2_L01_P030" (solid, remove dead copper, pour order 30): 32.5,148.75 45.5,148.75 45.5,142.75 69.5,142.699 69.5,137.25 44.25,137.25 44.25,124.75 32.5,124.75
GND on Top Layer "GND_L01_P028" (solid, remove dead copper, pour order 28): 18.9,108.75 18.9,128.75 14.75,128.75 14.75,161.25 20.5,161.25 20.5,172 4.75,172 4.75,161.25 -6,161.25 -6,180.5 61.25,180.5 61.25,161 46.75,161 46.75,172 30.5,172 30.5,108.75
DC_IN on Top Layer "DC_IN_L01_P071" (solid, remove dead copper, pour order 71): -7,180.5 -7,141.5 -10.75,141.5 -10.75,140.25 -15,140.25 -15,180.5
NetVD20_1 on Top Layer "NETVD20_1_L01_P006" (solid, remove dead copper, pour order 6): -28.5,39.5 -23.25,39.5 -23.25,28.75 -28.5,28.75
NetC40_1 on Top Layer "NETC40_1_L01_P101" (solid, remove dead copper, pour order 101): -20.2,133.07 -20.2,131.2 -1.5,131.2 -1.5,135.293 -5.603,135.293 -6.5,136.2 -7.65,136.2 -7.65,133.209 -13.9,133.209 -13.9,134.2 -15.5,134.2 -15.5,136.2 -20.2,136.2
VCC5V-USB on Top Layer "VCC5V-USB_L01_P002" (solid, remove dead copper, pour order 2): -11.75,-6.2 -8.428,-6.2 -8.428,-8.9 -11.75,-8.9
NetVD7_1 on Top Layer "NETVD7_1_L01_P073" (solid, remove dead copper, pour order 73): -15.75,147.051 -15.75,136.75 -20.197,136.75 -20.197,147.051
VBATF on Top Layer "VBATF_L01_P034" (solid, remove dead copper, pour order 34): 45.75,150 32.503,150 32.497,171 45.75,171
NetC6_2 on Top Layer "NETC6_2_L01_P022" (solid, remove dead copper, pour order 22): 3.75,109 3.75,96.75 -24.5,96.75 -24.5,122 12.5,122 12.5,118.25 16.75,118.25 16.75,109
AGND on Top Layer "AGND_L01_P008" (solid, remove dead copper, pour order 8): -21.75,39.5 -10.25,39.5 -10.25,38 -6.25,38 -6.25,33.5 -21.75,33.5
NetC44_2 on Top Layer "NETC44_2_L01_P083" (solid, remove dead copper, pour order 83): -5.5,48.5 -3,48.5 -3,28.9 -5.5,28.9
3.3V on Top Layer "3.3V_L01_P089" (solid, remove dead copper, pour order 89): -6.1,28.9 -6.1,32.9 -12,32.9 -12,28.9
AGND on Top Layer "AGND_L01_P091" (solid, remove dead copper, pour order 91): 19.1,11.4 25.1,11.4 25.1,5.5 19.1,5.5
12V on Top Layer "12V_L01_P109" (solid, remove dead copper, pour order 109): 65.5,18.5 65.5,16 54,16 54,18.5
GND on Top Layer "GND_L01_P111" (solid, remove dead copper, pour order 111): 58.5,36.25 58.5,23.25 58.5,19.25 54.25,19.25 54.25,36.25
VBAT on Top Layer "VBAT_L01_P115" (solid, remove dead copper, pour order 115): 61.05,29.746 61.05,38.4 59.15,38.4 59.15,29.746
12V on Top Layer "12V_L01_P117" (solid, remove dead copper, pour order 117): 54,16.25 56,16.25 56,11.75 67.75,11.75 67.75,9.25 55.75,9.25 55.75,-2.75 54,-2.75
GND on Top Layer "GND_L01_P119" (solid, remove dead copper, pour order 119): 60.75,-0.7 63.379,-0.7 63.379,-4.9 60.75,-4.9
NetVD21_1 on Top Layer "NETVD21_1_L01_P121" (solid, remove dead copper, pour order 121): 65.25,8.3 67.75,8.3 67.75,-1.3 65.25,-1.3
AGND on INT2 "AGND_L03_P044" (solid, remove dead copper, pour order 44): -28.5,96.75 4.25,96.75 4.25,96.25 11,96.25 23.25,84 52,84 52,-16.25 -28.25,-16.25 -6,-16.25 -6,11.5 -28.25,11.5
GND on INT2 "GND_L03_P040" (solid, remove dead copper, pour order 40): 69.5,84.8 23.45,84.8 11.5,96.75 -28.5,96.75 -28.5,181.5 69.5,181.5
GND_USB on INT2 "GND_USB_L03_P038" (solid, remove dead copper, pour order 38): -28.25,10.5 -7,10.5 -7,-16.25 -28.25,-16.25
VDD on INT1 "VDD_L02_P064" (solid, remove dead copper, pour order 64): -28.5,91.75 11.5,91.75 21.75,81.5 56,81.5 56,51.75 -28.5,51.75
3.3V on INT1 "3.3V_L02_P085" (solid, remove dead copper, pour order 85): -28.25,50.75 -28.25,11.5 -6,11.5 -6,-16.338 51.75,-16.338 51.75,50.75
GND on INT1 "GND_L02_P063" (solid, remove dead copper, pour order 63): 69.5,84.8 23.45,84.8 11.5,96.75 -28.5,96.75 -28.5,181.5 69.5,181.5
VCC5V-USB on INT1 "VCC5V-USB_L02_P061" (solid, remove dead copper, pour order 61): -28.25,10.5 -7,10.5 -7,-16.25 -28.25,-16.25
AGND on Bottom Layer "AGND_L04_P098" (solid, remove dead copper, pour order 98): -28.5,95.75 11,95.75 23,83.75 51.75,83.75 51.75,-16.5 -6,-16.5 -6,11.5 -28.5,11.5
GND_USB on Bottom Layer "Bottom Layer-No Net" (solid, pour order 123): -28.5,10.5 -7,10.5 -7,-16.5 -28.5,-16.5
GND on Bottom Layer "GND_L04_P065" (solid, remove dead copper, pour order 65): 69.5,-16.5 55.75,-16.5 55.75,-8.5 52.5,-8.5 52.5,5 55.75,5 55.75,26.15 55.75,38.25 60,38.25 60,84.8 23.45,84.8 11.5,96.75 -28.5,96.75 -28.5,181.5 69.5,181.5

## Keep-outs
Keep-Out Layer:
  lines w0.15: -29.5,-17.5 -34.5,-17.5 -34.5,182.5 -29.5,182.5 ; -29.5,-17.5 -29.5,182.5 ; -29.5,-17.5 70.5,-17.5 ; -29.5,182.5 70.5,182.5 ; 70.5,-17.5 75.5,-17.5 75.5,182.5 70.5,182.5 ; 70.5,-17.5 70.5,182.5

## Other copper
Top Layer:
  rectangle net GND: 52.4,-8.4 54.8,-5
  pour cut-out: 29,23.55 37.4,23.55 37.4,20.3 29,20.3
  region net GND_USB: -10.75,-12 -9.675,-12 -9.675,-13.9 -10.75,-13.9
  pour cut-out: 8.5,16.225 20.059,16.225 20,12 8.5,12
  pour cut-out: 5.25,12.25 15.551,12.25 15.551,3.25 5.25,3.25
  pour cut-out: -1.5,147.75 -1.5,142.75 -2.3,142.75 -2.3,147.75
  pour cut-out: 40.5,113.5 45.5,113.5 45.5,112.7 40.5,112.7
  pour cut-out: 35.8,102.75 35.8,107.75 36.6,107.75 36.6,102.75
  pour cut-out: 12.85,103 12.85,108 13.65,108 13.65,103
  pour cut-out: 4.5,113.5 9.5,113.5 9.5,112.7 4.5,112.7
  pour cut-out: -8.3,141.5 -8.3,142.525 -7,142.525 -7,141.5
  pour cut-out: -28.5,40.2 -10.25,40.2 -10.25,39.5 -28.5,39.5
  pour cut-out: -9.498,48.5 -9.498,39.5 -10.248,39.5 -10.248,48.5
  pour cut-out: -22.5,49.254 -9.5,49.254 -9.5,48.504 -22.5,48.504
  pour cut-out: -22.225,50.5 -22.225,42 -22.975,42 -22.975,50.5
  pour cut-out: -22.225,42.75 -18.66,42.75 -18.66,42 -22.225,42
  pour cut-out: 32.766,84.5 56.75,84.5 56.75,72.25 32.726,72.25
  pour cut-out: 59.15,35 59.15,23.198 58.45,23.198 58.45,35
  pour cut-out: 62,35.225 62,31.66 61.25,31.66 61.25,35.225
  pour cut-out: 69.75,35.225 61.25,35.225 61.25,35.975 69.75,35.975
  pour cut-out: 68.504,35.3 68.504,22.5 67.754,22.5 67.754,35.3
  pour cut-out: 67.75,22.498 58.5,22.498 58.5,23.248 67.75,23.248
INT1:
  pour cut-out: 5,108.25 20.706,108.25 20.706,96.5 46.25,96.5 46.25,108.25 63,108.25 63,84.55 23.024,84.55 11.074,96.5 5,96.5
INT2:
  pour cut-out: 4.25,108.25 18.25,108.25 18.25,96.5 31.75,96.5 31.75,108.25 69.75,108.25 69.75,84.55 23.024,84.55 11.074,96.5 4.25,96.5
Bottom Layer:
  pour cut-out: 24.5,110.25 24.5,108 49.75,108 49.75,110.25
  pour cut-out: 4.25,108.25 18.25,108.25 18.25,96.5 31.75,96.5 31.75,108.25 55.5,108.25 55.5,84.55 23.024,84.55 11.074,96.5 4.25,96.5
  pour cut-out: 32.766,84.5 56.75,84.5 56.75,72.25 32.726,72.25

## Silkscreen, mask and mechanical layers (free items; w line width, h text height)
Top Overlay:
  rectangle: -13,110 -1.5,115
  lines w0.15: -24.7,-4.15 -23.2,-4.15 ; -17.75,1.15 -17.75,2.65 ; -17.75,3.05 -17.75,4.55 ; 1.15,29.55 2.65,29.55 ; 17.4,-6.59 17.4,-5.09 ; 21.5,-6.55 21.5,-5.05 ; 30.05,61.5 31.55,61.5 ; 52.97,15.767 54.47,15.767 ; -24.7,-2.9 -23.2,-2.9 -23.95,-4.15 -24.7,-2.9 ; -19,1.15 -17.75,1.9 -19,2.65 -19,1.15 ; -19,3.05 -17.75,3.8 -19,4.55 -19,3.05 ; 1.15,28.3 1.9,29.55 2.65,28.3 1.15,28.3 ; 16.15,-6.59 16.15,-5.09 17.4,-5.84 16.15,-6.59 ; 20.25,-6.55 20.25,-5.05 21.5,-5.8 20.25,-6.55 ; 30.05,62.75 30.8,61.5 31.55,62.75 30.05,62.75 ; 52.97,14.517 54.47,14.517 53.72,15.767 52.97,14.517
  lines w0.2: 0.6,-6.1 -6,-6.1 -7.7,-5.4 ; -7.7,-5.4 -15.3,-5.4 -15.3,-1.2 -7.7,-1.2 -7.7,-5.4
  lines w0.3: -16,108.5 -16,116.221 ; -27,116.221 -27,108.5 1,108.5 1,116.221 ; -27,116.221 -27,124 1,124 1,116.221 ; -27,116.221 1,116.221
  text "DC IN" at -2,181.8 h1.8 r180
  text "PANEL" at 25,181.8 h1.8 r180
  text "VBAT" at 50,181.8 h1.8 r180
  text "+" at -12.6,181.6 h1.8 r180
  text "-" at 2.2,181.6 h1.8 r180
  text "+" at 13.4,181.6 h1.8 r180
  text "-" at 28.2,181.6 h1.8 r180
  text "+" at 39.4,181.6 h1.8 r180
  text "-" at 54.2,181.6 h1.8 r180
  text "MPPT BATTERY" at -25.55,121.164 h1.5
  text "CHARGE CONTROLLER" at -25.55,118.164 h1.5
  text "S/N :" at -25.25,111.5 h1.5
  text "REV. 1" at -26.5,91 h1.5 r90
  text "-" at 62.1,63 h2 r90
  text "NTC" at 59.4,60 h1.5 r90
  text "+" at 62.1,59.2 h2 r90
  text "PV" at -26.5,58.6 h1 r90
  text "BAT" at -21.3,58.5 h1 r90
  text "STS" at 31.5,58.3 h2 r90
  text "SHDN" at 18.339,53.1 h1
  text "RST" at 48,52.2 h1
  text "USER" at 61.4,52.2 h1
  text "JTAG" at 37.5,48.9 h1
  text "7-48VIN" at -28.8,34 h1
  text "VIN" at -21,31 h1
  text "3V3" at 2.4,30.4 h2 r90
  text "GND" at -21,27.5 h1
  text "CANL" at -19.7,22.9 h1 r90
  text "BOOT" at 19.8,21.5 h1
  text "CANH" at -19.7,18.1 h1 r90
  text "CAN" at -27.1,16.7 h1
  text "120R" at -5.4,13.6 h1
  text "12V" at 52.3,11.1 h2 r90
  text "+" at 62.206,9.9 h2 r90
  text "A0" at 46.7,7.7 h1
  text "FAN" at 57.4,6.5 h1.5 r90
  text "12V" at 59.7,6.5 h1.5 r90
  text "A1" at 46.7,6.3 h1
  text "-" at 62.206,6.1 h2 r90
  text "A2" at 46.7,4.9 h1
  text "RX" at -22.897,4.1 h2 r90
  text "A3" at 46.7,3.5 h1
  text "TX" at -22.897,0.3 h2 r90
  text "CAN ADDR." at 36.9,-1.1 h1
  text "+5V" at -21.4,-4.6 h2 r90
  text "RESERVE" at 39.2,-7.7 h1
  text "LED1" at 15.4,-8.4 h2
  text "LED2" at 19.6,-8.4 h2
  text "USB" at -5.661,-16 h1

## Text inside footprints (layer, text, board x,y; h text height)
B1: Top Assy "+" at 30.5,23.5 h2; Top Overlay "+" at 30.5,23.5 h2
C13: Top Overlay "+" at 40,142.4 h1.5 r180
SB4: Top Overlay "OFF" at 36.6,9.5 h1.2; Top Overlay "ON" at 41.5,9.5 h1.2; 3D view "OFF" at 36.49,9.4 h1.27; 3D view "ON" at 42.6,9.127 h1.27
XP7: Top Overlay "1" at 7.32,41.905 h1; Top Overlay "2" at 7.095,44.455 h1
XP9: Top Assy "PCB edge" at -6.8,-18.2 h1.5
XT1: Top Assy "2" at 25.45,169.6 h2 r180; Top Assy "1" at 16.05,169.6 h2 r180; Top Overlay "1" at 8.75,165.5 h1
XT2: Top Assy "1" at 42.05,169.6 h2 r180; Top Assy "2" at 51.45,169.6 h2 r180; Top Overlay "1" at 35,165.5 h1
XT4: Top Assy "1" at -9.95,169.6 h2 r180; Top Assy "2" at -0.55,169.6 h2 r180; Top Overlay "1" at -17,165.5 h1